# KiCad board nerdqaxe++.kicad_pcb (continued)
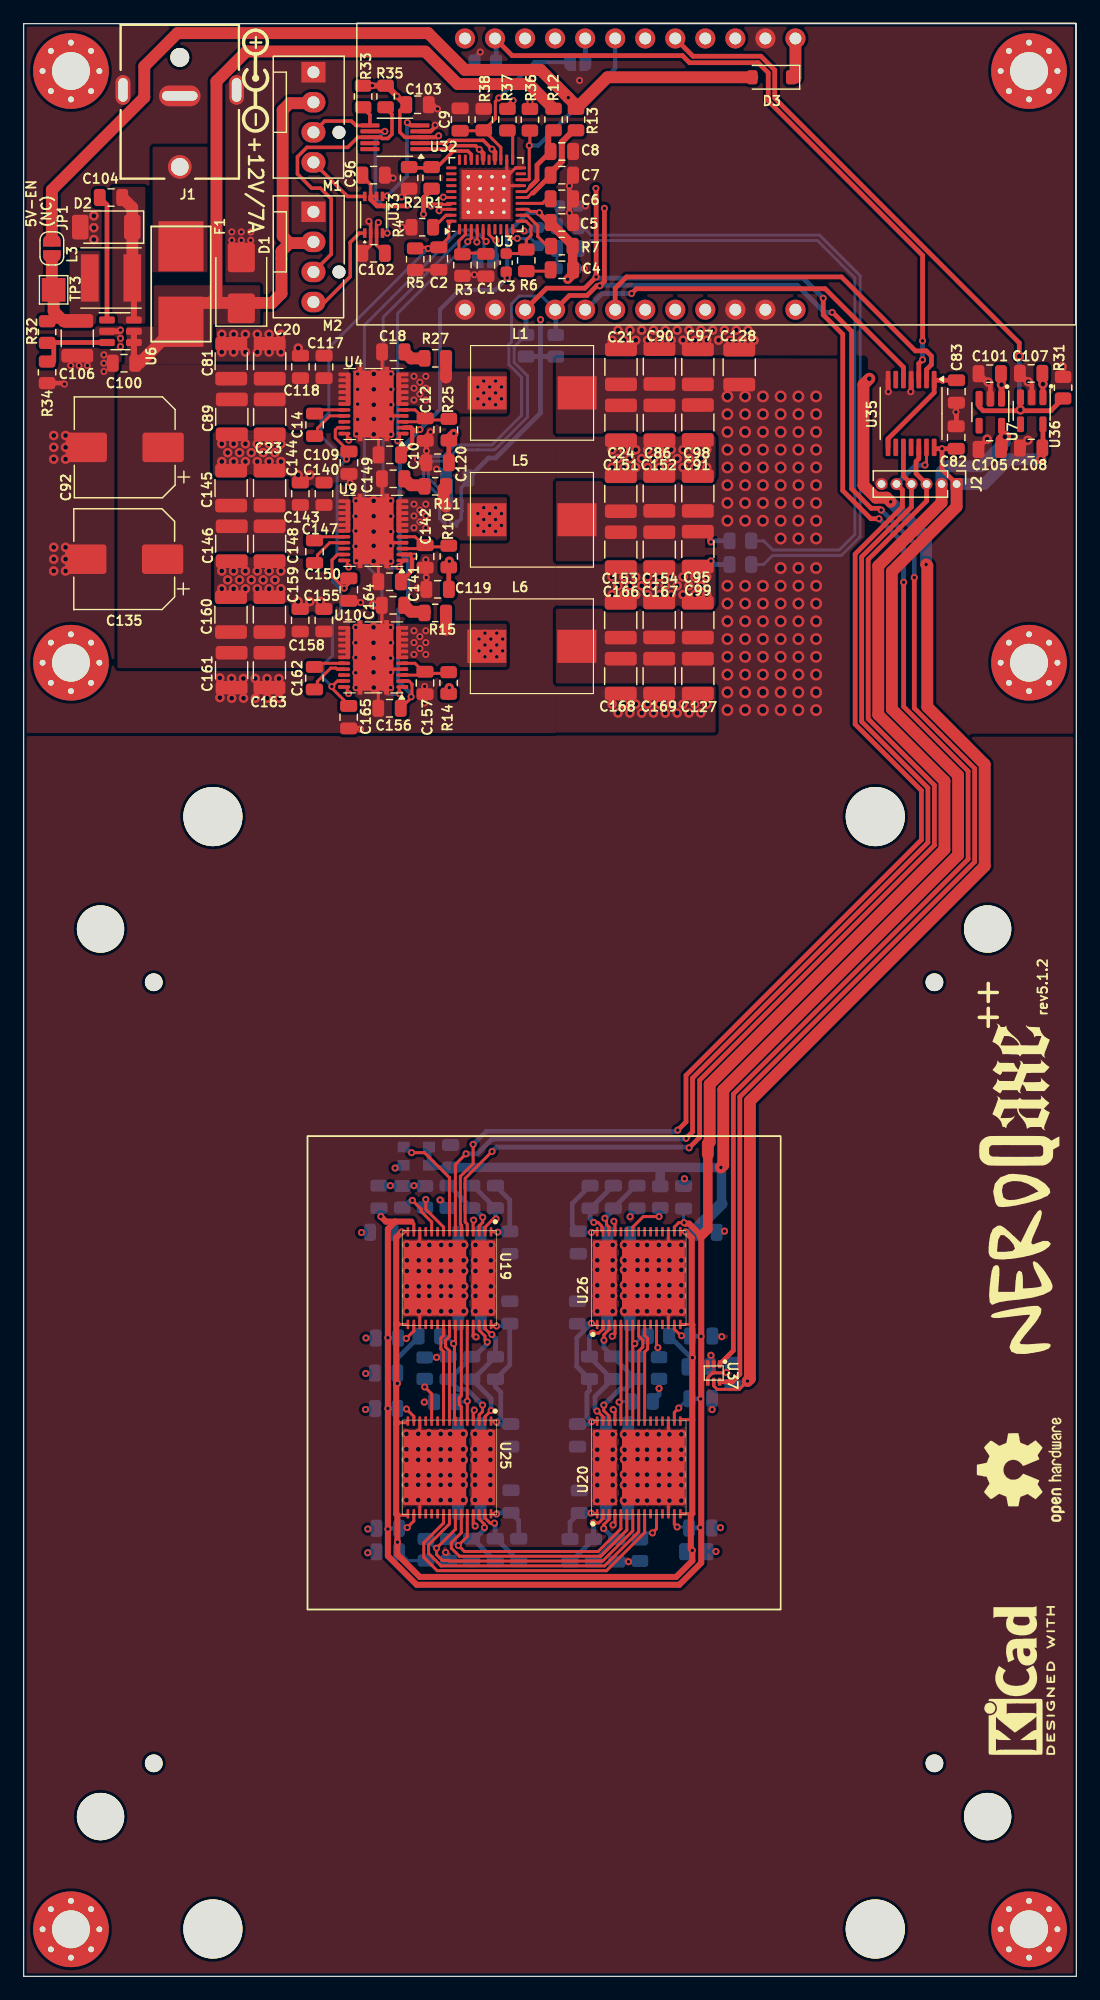
[diagram p0: board, top side]
## Footprints (pads in the part's own frame, mm; a bottom-side part is the same pattern mirrored in y, then rotated)
BM1370
  rrect 0.792x0.221 smd: 1(-3.916,3.514) 2(-3.916,3.012) 3(-3.916,2.51) 4(-3.916,2.008) 5(-3.916,1.506) 6(-3.916,1.004) 7(-3.916,0.502) 8(-3.916,0) 9(-3.916,-0.502) 10(-3.916,-1.004) 11(-3.916,-1.506) 12(-3.916,-2.008) 13(-3.916,-2.51) 14(-3.916,-3.012) 15(-3.916,-3.514) 16(3.916,-3.514) 17(3.916,-3.012) 18(3.916,-2.51) 19(3.916,-2.008) 20(3.916,-1.506) 21(3.916,-1.004) 22(3.916,-0.502) 23(3.916,0) 24(3.916,0.502) 25(3.916,1.004) 26(3.916,1.506) 27(3.916,2.008) 28(3.916,2.51) 29(3.916,3.012) 30(3.916,3.514)
  rect 6.33x2 smd: 31(0,2.87)
  rect 6.33x5.3 smd: 32(0,-1.24)
C_0603_1608Metric
  rrect 0.9x0.95 smd: 1(-0.775,0) 2(0.775,0)
C_0805_2012Metric
  rrect 1x1.45 smd: 1(-0.95,0) 2(0.95,0)
C_1210_3225Metric
  rrect 1.15x2.7 smd: 1(-1.475,0) 2(1.475,0)
CP_Elec_8x10
  rrect 3.5x2.5 smd: 1(-3.25,0) 2(3.25,0)
CSD95472-SON-5x6
  rrect 1x0.3 smd: 1(2.45,-2.5) 2(2.45,-2) 3(2.45,-1.5) 4(2.45,-1) 5(2.45,-0.5) 6(2.45,2.5) 6(2.45,2) 6(2.45,1.5) 6(2.45,1) 6(2.45,0.5) 6(2.45,0) 7(-2.45,2.5) 7(-2.45,2) 7(-2.45,1.5) 7(-2.45,1) 7(-2.45,0.5) 7(-2.45,0) 8(-2.45,-0.5) 9(-2.45,-1) 10(-2.45,-1.5) 11(-2.45,-2) 12(-2.45,-2.5)
  rect 0.5x0.3 smd: 1(2.7,-2.5) 2(2.7,-2) 3(2.7,-1.5) 4(2.7,-1) 5(2.7,-0.5) 6(2.7,2.5) 6(2.7,2) 6(2.7,1.5) 6(2.7,1) 6(2.7,0.5) 6(2.7,0) 7(-2.7,2.5) 7(-2.7,2) 7(-2.7,1.5) 7(-2.7,1) 7(-2.7,0.5) 7(-2.7,0) 8(-2.7,-0.5) 9(-2.7,-1) 10(-2.7,-1.5) 11(-2.7,-2) 12(-2.7,-2.5)
  rrect 0.41x2.8 smd: 6(2.15,1.25) 7(-2.15,1.25)
  rect 0.41x6.3 smd: 13(-1.125,0) 13(1.125,0)
  rect 3.4x5.639 smd: 13(0,0)
D_SMB
  rrect 2.5x2.3 smd: 1(-2.15,0) 2(2.15,0)
D_SOD-123
  rrect 0.9x1.2 smd: 1(-1.65,0) 2(1.65,0)
D_SOD-128
  rrect 1.4x2.1 smd: 1(-2.2,0) 2(2.2,0)
FanPinHeader_1x04_P2.54mm_Vertical
  round 1.1 hole 1.1 unplated: (5.08,2.16)
  rect 1.73x2.03 hole 1.02: 1(0,0)
  oval 1.73x2.03 hole 1.02: 2(2.54,0) 3(5.08,0) 4(7.62,0)
fuseholder_littlefuse_blok
  rect 4.245x3.81 smd: 1(-3.188,0) 2(3.188,0)
GCT_DCJ250-20-B-XX-X_REVA1
  round 1.6 hole 1.6 unplated: (0,-3.75)
  round 2 hole 1.5: 1(0,5.5)
  oval 3.5x1.75 hole 3x0.8: 2(0,-0.5)
  oval 1.25x2.5 hole 0.8x2: 3_1(-4.8,-1) 3_2(4.8,-1)
IFLR-4031GC-01-8x10
  rect 3.3x2.8 smd: 1(-3.805,0) 2(3.805,0)
L_Taiyo-Yuden_NR-50xx
  rect 1.5x4 smd: 1(-1.8,0) 2(1.8,0)
MountingHole_3.2mm_M3
  round 5 hole 5 unplated: (0,-9.5)
MountingHole_3.2mm_M3#2
  round 5 hole 5 unplated: (0,0)
MountingHole_3.2mm_M3#4
  round 4 hole 4 unplated: (0,0)
MountingHole_3.2mm_M3#3
  round 5 hole 5 unplated: (0,9.5)
MountingHole_3.2mm_M3_Pad_Via
  round 0.8 hole 0.5: 1(-2.4,0) 1(-1.697,1.697) 1(-1.697,-1.697) 1(0,2.4) 1(0,-2.4) 1(1.697,1.697) 1(1.697,-1.697) 1(2.4,0)
  round 6.4 hole 3.2: 1(0,0)
MSOP-10_3x3mm_P0.5mm
  rrect 1.625x0.35 smd: 1(-2.112,1) 2(-2.112,0.5) 3(-2.112,0) 4(-2.112,-0.5) 5(-2.112,-1) 6(2.112,-1) 7(2.112,-0.5) 8(2.112,0) 9(2.112,0.5) 10(2.112,1)
Oscillator_SMD_EuroQuartz_XO32-4Pin_3.2x2.5mm
  rect 0.9x1 smd: 1(-0.775,1.075) 2(-0.775,-1.075) 3(0.775,-1.075) 4(0.775,1.075)
PinHeader_1x06_P1.27mm_Vertical
  rect 1x1 hole 0.65: 1(0,0)
  oval 1x1 hole 0.65: 2(0,-1.27) 3(0,-2.54) 4(0,-3.81) 5(0,-5.08) 6(0,-6.35)
R_0805_2012Metric
  rrect 1.025x1.4 smd: 1(-0.912,0) 2(0.912,0)
SolderJumper-2_P1.3mm_Open_RoundedPad1.0x1.5mm
  custom 1x1.5 smd: 1(-0.65,0) 2(0.65,0)
SOT-23-5
  rrect 1.325x0.6 smd: 1(-1.137,0.95) 2(-1.137,0) 3(-1.137,-0.95) 4(1.137,-0.95) 5(1.137,0.95)
SOT-23-6
  rrect 1.325x0.6 smd: 1(-1.137,0.95) 2(-1.137,0) 3(-1.137,-0.95) 4(1.137,-0.95) 5(1.137,0) 6(1.137,0.95)
stencil-registration
  round 1.5 hole 1.5 unplated: (0,0)
T-Display-S3
  round 1.7 hole 1: 1(11.46,21.25) 2(11.46,18.71) 3(11.46,16.17) 4(11.46,13.63) 5(11.46,11.09) 6(11.46,8.55) 7(11.46,6.01) 8(11.46,3.47) 9(11.46,0.93) 10(11.46,-1.61) 11(11.46,-4.15) 12(11.46,-6.69) 13(-11.46,-6.69) 14(-11.46,-4.15) 15(-11.46,-1.61) 16(-11.46,0.93) 17(-11.46,3.47) 18(-11.46,6.01) 19(-11.46,8.55) 20(-11.46,11.09) 21(-11.46,13.63) 22(-11.46,16.17) 23(-11.46,18.71) 24(-11.46,21.25)
TestPoint_Pad_2.0x2.0mm
  rect 2x2 smd: 1(0,0)
Texas_RHA0040B_VQFN-40-1EP_6x6mm_P0.5mm_EP4.15x4.15mm_ThermalVias
  custom 0.464x0.464 smd: (-1.788,1.788) (-1.788,-1.788) (1.788,1.788) (1.788,-1.788)
  custom 0.464x0.806 smd: (-1.788,1) (-1.788,0) (-1.788,-1) (1.788,1) (1.788,0) (1.788,-1)
  custom 0.806x0.464 smd: (-1,1.788) (-1,-1.788) (0,1.788) (0,-1.788) (1,1.788) (1,-1.788)
  rrect 0.806x0.806 smd: (-1,1) (-1,0) (-1,-1) (0,1) (0,0) (0,-1) (1,1) (1,0) (1,-1)
  rrect 0.875x0.25 smd: 1(-2.938,2.25) 2(-2.938,1.75) 3(-2.938,1.25) 4(-2.938,0.75) 5(-2.938,0.25) 6(-2.938,-0.25) 7(-2.938,-0.75) 8(-2.938,-1.25) 9(-2.938,-1.75) 10(-2.938,-2.25) 21(2.938,-2.25) 22(2.938,-1.75) 23(2.938,-1.25) 24(2.938,-0.75) 25(2.938,-0.25) 26(2.938,0.25) 27(2.938,0.75) 28(2.938,1.25) 29(2.938,1.75) 30(2.938,2.25)
  rrect 0.25x0.875 smd: 11(-2.25,-2.938) 12(-1.75,-2.938) 13(-1.25,-2.938) 14(-0.75,-2.938) 15(-0.25,-2.938) 16(0.25,-2.938) 17(0.75,-2.938) 18(1.25,-2.938) 19(1.75,-2.938) 20(2.25,-2.938) 31(2.25,2.938) 32(1.75,2.938) 33(1.25,2.938) 34(0.75,2.938) 35(0.25,2.938) 36(-0.25,2.938) 37(-0.75,2.938) 38(-1.25,2.938) 39(-1.75,2.938) 40(-2.25,2.938)
  round 0.6 hole 0.3: 41(-1.5,1.5) 41(-1.5,0.5) 41(-1.5,-0.5) 41(-1.5,-1.5) 41(-0.5,1.5) 41(-0.5,0.5) 41(-0.5,-0.5) 41(-0.5,-1.5) 41(0.5,1.5) 41(0.5,0.5) 41(0.5,-0.5) 41(0.5,-1.5) 41(1.5,1.5) 41(1.5,0.5) 41(1.5,-0.5) 41(1.5,-1.5)
  rect 3.5x3.5 smd far side: 41(0,0)
  rect 4.15x4.15 smd: 41(0,0)
TMP1075-DRL
  rrect 0.67x0.3 smd: 1(-0.74,0.5) 2(-0.74,0) 3(-0.74,-0.5) 4(0.74,-0.5) 5(0.74,0) 6(0.74,0.5)
TSSOP-14_4.4x5mm_P0.65mm
  rrect 1.475x0.4 smd: 1(-2.862,1.95) 2(-2.862,1.3) 3(-2.862,0.65) 4(-2.862,0) 5(-2.862,-0.65) 6(-2.862,-1.3) 7(-2.862,-1.95) 8(2.862,-1.95) 9(2.862,-1.3) 10(2.862,-0.65) 11(2.862,0) 12(2.862,0.65) 13(2.862,1.3) 14(2.862,1.95)
VSSOP-8_2.3x2mm_P0.5mm
  rect 0.8x0.3 smd: 1(-1.55,0.75) 2(-1.55,0.25) 3(-1.55,-0.25) 4(-1.55,-0.75) 5(1.55,-0.75) 6(1.55,-0.25) 7(1.55,0.25) 8(1.55,0.75)

## Nets
+0V8: C28.2 C30.2 C32.2 C34.2 C37.2 C40.2 C44.2 C47.2 C105.1 J2.2 U7.5 U19.14 U19.17 U20.14 U20.17 U25.14 U25.17 U26.14 U26.17
+1V2: C25.1 C52.1 C54.1 C58.1 C60.1 C64.1 C68.1 C82.1 C108.1 J2.1 R20.2 R21.2 R22.2 R23.2 U8.1 U8.4 U19.15 U19.16 U20.15 U20.16 U25.15 U25.16 U26.15 U26.16 U35.14 U36.5
+3V3: C83.1 C87.1 C88.1 C101.1 C102.1 C103.1 C107.1 JP3.2 R8.1 R9.1 R33.1 R35.1 R36.1 R37.1 U3.6 U7.1 U30.1 U30.13 U32.3 U33.3 U35.1 U35.8 U36.1 U37.5 U38.4 U38.5
+5V: C96.1 C119.1 C120.1 D3.2 JP1.2 R10.1 R13.1 R14.1 R25.1 U33.6 U33.7
+12V: C20.1 C23.1 C81.1 C89.1 C92.1 C100.1 C117.1 C118.1 C135.1 C140.1 C143.1 C144.1 C145.1 C146.1 C148.1 C155.1 C158.1 C159.1 C160.1 C161.1 C163.1 D1.1 F1.1 M1.2 M2.2 R12.1 U4.7 U6.4 U6.5 U9.7 U10.7
GND: C1.2 C2.2 C5.2 C6.2 C7.1 C8.1 C9.2 C10.2 C11.2 C12.2 C13.2 C15.2 C17.2 C18.2 C20.2 C21.2 C23.2 C24.2 C25.2 C26.2 C27.2 C28.1 C29.2 C30.1 C31.2 C32.1 C33.2 C34.1 C35.1 C36.1 C37.1 C38.2 C40.1 C41.2 C44.1 C46.2 C47.1 C49.2 C52.2 C53.2 C54.2 C55.2 C58.2 C59.2 C60.2 C64.2 C68.2 C71.2 C72.2 C79.2 C80.2 C81.2 C82.2 C83.2 C86.2 C87.2 C88.2 C89.2 C90.2 C91.2 C92.2 C95.2 C96.2 C97.2 C98.2 C99.2 C100.2 C101.2 C102.2 C103.2 C105.2 C106.2 C107.2 C108.2 C109.2 C115.1 C116.2 C117.2 C118.2 C119.2 C120.2 C127.2 C128.2 C135.2 C140.2 C141.2 C142.2 C143.2 C144.2 C145.2 C146.2 C148.2 C149.2 C150.2 C151.2 C152.2 C153.2 C154.2 C155.2 C156.2 C157.2 C158.2 C159.2 C160.2 C161.2 C163.2 C164.2 C165.2 C166.2 C167.2 C168.2 C169.2 D1.2 D2.2 J1.2 J1.3_1 J1.3_2 J2.6 M1.1 M2.1 R2.1 R3.1 R4.1 R5.1 R16.2 R19.1 R30.2 R31.2 R34.2 R38.2 R44.2 R45.2 R46.2 R47.2 R49.1 R50.1 R51.1 U3.17 U3.20 U3.22 U3.41 U4.4 U4.13 U6.2 U7.2 U8.2 U9.4 U9.13 U10.4 U10.13 U19.4 U19.13 U19.18 U19.27 U19.32 U20.4 U20.13 U20.18 U20.27 U20.32 U25.4 U25.13 U25.18 U25.27 U25.32 U26.4 U26.13 U26.18 U26.27 U26.32 U30.11 U30.14 U30.15 U30.23 U30.24 U32.4 U33.2 U35.4 U35.7 U36.2 U37.2 U37.4 U38.2
VDD: C11.1 C13.1 C15.1 C17.1 C21.1 C24.1 C26.1 C27.1 C29.1 C31.1 C33.1 C38.1 C41.1 C46.1 C49.1 C53.1 C55.1 C56.2 C57.2 C59.1 C62.1 C63.1 C73.1 C74.1 C86.1 C90.1 C91.1 C93.2 C94.2 C95.1 C97.1 C98.1 C99.1 C127.1 C128.1 C151.1 C152.1 C153.1 C154.1 C166.1 C167.1 C168.1 C169.1 L1.2 L5.2 L6.2 R29.2 U19.31 U20.31 U25.31 U26.31
+VRef: C3.2 C4.2 C5.1 C10.1 C141.1 C156.1 R1.2 R7.1 U3.13 U4.2 U9.2 U10.2
/BM1366/BI: R19.2 U19.9
/BM1366/CI: J2.5 U19.6 U35.13
/BM1366/CLKI: U8.3 U19.8
/BM1366/RESET: R16.1 U30.2 U35.3
/BM1366/RO: J2.4 U19.7 U35.10
/BM1366/RST_N: J2.3 U19.5 U35.12
/BM1366/RXD: U30.20 U35.5
/BM1366/TXD: U30.19 U35.2
/Power//RESET: R37.2 U3.21
/Power/LDO_EN: R31.1 U7.3 U30.8 U36.3
/Power/PWR_EN: JP2.2 U30.5
/Power/TPS_CSP1: U3.3 U4.1
/Power/TPS_CSP2: U3.4 U9.1
/Power/TPS_CSP3: JP3.1 U3.5 U10.1
/Power/TPS_PWM1: U3.38 U4.12
/Power/TPS_PWM2: U3.37 U9.12
/Power/TPS_PWM3: U3.36 U10.12
/Power/TPS_TSEN: C2.1 C109.1 C150.1 C165.1 R5.2 U3.40 U4.11 U9.11 U10.11
/Power/VR_RDY: R36.2 U3.18 U30.6
/Power/VSENSE+: R29.1 R39.1
/Power/VSENSE-: R30.1 R40.1
/T-Display-S3/SCL: R8.2 U3.24 U30.22 U32.2 U37.1 U38.1
/T-Display-S3/SDA: R9.2 U3.26 U30.21 U32.1 U37.6 U38.6
/T-Display-S3/TACHO1: M1.3 R33.2 U32.6
/T-Display-S3/TACHO2: M2.3 R35.2 U32.8
Net-(C4-Pad1): C4.1 R6.1
Net-(C18-Pad1): C18.1 R27.1
Net-(C149-Pad1): C149.1 R11.1
Net-(C164-Pad1): C164.1 R15.1
Net-(D2-K): C104.2 D2.1 L3.1 U6.6
Net-(D3-K): D3.1 U30.12
Net-(F1-Pad2): F1.2 J1.1
Net-(JP1-A): C106.1 JP1.1 L3.2 R32.1 TP3.1
Net-(JP2-A): C9.1 JP2.1 R38.1 U3.23
Net-(M1-PWM): M1.4 U33.8
Net-(M2-PWM): M2.4 U33.1
Net-(R44-Pad1): R44.1 U20.11
Net-(R45-Pad1): R45.1 U26.11
Net-(R46-Pad1): R46.1 U19.11
Net-(R47-Pad1): R47.1 U25.11
Net-(U3-/SKIP-NVM): R4.2 U3.39
Net-(U3-ADDR_TRISE): R1.1 R2.2 U3.28
Net-(U3-COMP): C3.1 R6.2 U3.11
Net-(U3-IMON): C1.1 R3.2 U3.2
Net-(U3-ISUM): R7.2 U3.12
Net-(U3-V3R3): C6.1 U3.14
Net-(U3-V5): C7.2 R13.2 U3.15
Net-(U3-VIN): C8.2 R12.2 U3.16
Net-(U3-VSN): C114.2 C116.1 R40.2 U3.10
Net-(U3-VSP): C114.1 C115.2 R39.2 U3.9
Net-(U4-BOOT): C14.1 U4.9
Net-(U4-BOOT_R): C14.2 U4.8
Net-(U4-ENABLE): C12.1 R25.2 U4.3 U4.5
Net-(U4-VSW): L1.1 R27.2 U4.6
Net-(U6-BS): C104.1 U6.1
Net-(U6-FB): R32.2 R34.1 U6.3
Net-(U9-BOOT): C147.1 U9.9
Net-(U9-BOOT_R): C147.2 U9.8
Net-(U9-ENABLE): C142.1 R10.2 U9.3 U9.5
Net-(U9-VSW): L5.1 R11.2 U9.6
Net-(U10-BOOT): C162.1 U10.9
Net-(U10-BOOT_R): C162.2 U10.8
Net-(U10-ENABLE): C157.1 R14.2 U10.3 U10.5
Net-(U10-VSW): L6.1 R15.2 U10.6
Net-(U19-BO): U19.22 U25.9
Net-(U19-CLKO): U19.23 U25.8
Net-(U19-CO): U19.25 U25.6
Net-(U19-NRSTO): R49.2 U19.26 U25.5
Net-(U19-RI): R20.1 U19.24 U25.7
Net-(U19-VDD1_0): C35.2 C42.1 U19.3
Net-(U19-VDD1_1): C69.2 C71.1 U19.28 U25.3
Net-(U19-VDD2_0): C42.2 C50.1 U19.2
Net-(U19-VDD2_1): C66.2 C69.1 U19.29 U25.2
Net-(U19-VDD3_0): C50.2 C56.1 U19.1
Net-(U19-VDD3_1): C62.2 C66.1 C93.1 U19.30 U25.1
Net-(U20-BI): U20.9 U25.22
Net-(U20-BO): U20.22 U26.9
Net-(U20-CI): U20.6 U25.25
Net-(U20-CLKI): U20.8 U25.23
Net-(U20-CLKO): U20.23 U26.8
Net-(U20-CO): U20.25 U26.6
Net-(U20-NRSTI): R50.2 U20.5 U25.26
Net-(U20-NRSTO): R51.2 U20.26 U26.5
Net-(U20-RI): R21.1 U20.24 U26.7
Net-(U20-RO): R23.1 U20.7 U25.24
Net-(U20-VDD1_0): C36.2 C43.1 U20.3
Net-(U20-VDD1_1): C70.2 C72.1 U20.28 U26.3
Net-(U20-VDD2_0): C43.2 C51.1 U20.2
Net-(U20-VDD2_1): C67.2 C70.1 U20.29 U26.2
Net-(U20-VDD3_0): C51.2 C57.1 U20.1
Net-(U20-VDD3_1): C63.2 C67.1 C94.1 U20.30 U26.1
Net-(U25-VDD1_1): C77.2 C79.1 U25.28
Net-(U25-VDD2_1): C75.2 C77.1 U25.29
Net-(U25-VDD3_1): C73.2 C75.1 U25.30
Net-(U26-RI): R22.1 U26.24
Net-(U26-VDD1_1): C78.2 C80.1 U26.28
Net-(U26-VDD2_1): C76.2 C78.1 U26.29
Net-(U26-VDD3_1): C74.2 C76.1 U26.30
Net-(U32-PWM1): U32.5 U33.5
Net-(U32-PWM2): U32.7 U33.4

Pads without a net: REF**#3 1; REF**#11 1; REF**#15 1; REF**#16 1; REF**#17 1; REF**#20 1; U3 1 7 8 19 25 27 29 30 31 32 33 34 35; U4 10; U7 4; U9 10; U10 10; U19 10 12 19 20 21; U20 10 12 19 20 21; U25 10 12 19 20 21; U26 10 12 19 20 21 22 23 25 26; U30 3 4 7 9 10 16 17 18; U32 9 10; U35 6 9 11; U36 4; U37 3; U38 3

## Via types
v1: diameter 0.6, hole 0.3, Top to Bottom, 297 vias
v2: diameter 0.8, hole 0.4, Top to Bottom, 393 vias
v3: diameter 1, hole 0.6, Top to Bottom, 102 vias

## Routing (per net, layer and track width the routed paths; a pad name or vN(x,y) marks a point on that pad's centre or on a via; arc(x,y) is an arc through that point)
+0V8: length 199.6
  Top w0.254: U25.17 32.99,38.48 v1(32.43,37.92) ; 32.79,63.78 32.99,63.58 U19.14 ; U26.17 55.01,63.31 55.39,63.69 v1(55.84,63.69) ; v1(55.25,37.97) 55.01,38.21 U20.14 ; U19.17 32.99,54.54 v1(32.35,53.9) ; v1(55.38,48.02) 55.01,47.65 U20.17 ; v1(55.62,54.13) 55.57,54.13 55.01,54.69 U26.14 ; v1(32.36,47.94) 32.99,47.31 U25.14
  Top w0.4: U7.5 82.68,129.07
  Top w0.508: 31.43,63.78 32.79,63.78 ; 31.43,63.78 30.62,63.78 v1(30.2,64.2) ; 31.43,63.78 30.79,63.14 v1(30.79,53.96) v1(30.79,47.99) v1(30.79,37.8) 30.79,35.52 33.22,33.09 55.44,33.09 57.29,34.94 57.29,62.58 56.26,63.6 55.92,63.6 v1(55.84,63.69)
  Top w0.8: 57.84,69.45 57.84,63.14 57.29,62.58
  Top w1: 57.84,69.45 57.84,70.35 58,70.51 58,75.38 77.85,95.23 77.85,101.01 72.25,106.61 72.25,119.18 77.6,124.53 J2.2 ; C105.1 82.68,129.07 82.68,129.82 v2(82.96,130.1)
  Bottom w0.254: v1(55.84,63.69) 55.79,63.73 C34.2 ; v1(32.36,47.94) 31.64,47.94 C47.2 ; v1(32.43,37.92) 31.79,37.92 C32.2 ; v1(55.38,48.02) 56.17,48.81 C44.2 ; v1(55.62,54.13) 55.65,54.1 C37.2 ; v1(55.25,37.97) 56.18,37.97 C40.2 ; C30.2 31.69,53.9 v1(32.35,53.9)
  Bottom w0.4: v1(57.27,54.08) 57.25,54.1 C37.2 ; C40.2 57.18,37.89 v1(57.21,37.92) ; C44.2 57.22,48.81 v1(57.24,48.79) ; v1(30.79,47.99) 30.8,47.98 C47.2 ; C30.2 30.82,53.93 v1(30.79,53.96) ; C32.2 30.85,37.86 v1(30.79,37.8)
  Bottom w0.508: C28.2 30.2,64.74 v1(30.2,64.2)
  Bottom w1: v2(82.96,130.1) 82.96,129.66 80.9,127.6 78.07,127.6 77.6,127.13 J2.2
+1V2: length 225.4
  Top w0.254: v1(55.97,62.9) 55.95,62.92 U26.16 ; 31.6,55.11 31.62,55.08 U19.16 ; U20.16 55.64,47.04 56.53,47.04 ; U20.15 56.52,39.08 56.53,39.1 ; U25.15 32.35,46.78 31.6,46.78 ; U25.16 32.37,38.97 31.6,38.97 ; v1(31.97,62.9) 31.99,62.92 U19.15 ; U26.15 56.52,55.08 56.53,55.07
  Top w0.4: v1(77.64,129.08) 77.1,129.08 U35.14 ; v1(77.64,129.08) C82.1 ; v1(77.64,129.08) 77.64,127.34 J2.1 ; v2(85.99,128.18) 86.13,128.32 C108.1 86.18,129.19 U36.5
  Top w0.508: v1(31.97,62.9) 31.5,62.43 31.5,55.21 31.6,55.11 31.5,55.01 31.5,50.2 v1(31.6,50.1) 31.5,50 31.5,46.88 31.6,46.78 31.5,46.68 31.5,39.07 31.6,38.97 31.6,35.64 33.49,33.75 55.17,33.75 56.53,35.11 v1(56.53,35.99) 56.41,36.12 56.41,38.97 56.53,39.1 v1(56.53,52.28) 56.53,55.07 56.48,55.12 56.48,62.39 v1(55.97,62.9)
  Top w1: J2.1 78.88,124.17 73.4,118.7 73.4,107.08 79,101.48 79,94.75 59.15,74.9 59.15,68.55 v1(58.95,68.35)
  Bottom w0.254: C64.1 56.53,51.9 v1(56.53,52.28) ; v1(31.6,50.1) 31.59,50.11 C68.1 ; v1(56.53,35.99) 56.42,35.88 C54.1 ; C60.1 31.21,62.9 v1(31.97,62.9) ; v1(31.6,36.69) 31.73,36.55 C52.1 32.47,35.13 R23.2
  Bottom w0.4: R21.2 56.41,52.28 v1(56.53,52.28) ; U8.4 U8.1 34.45,68.35 C25.1 ; 77.64,129.1 v1(77.64,129.08) ; 33.47,54.09 31.59,52.21 C68.1 ; C52.1 31.73,35.41
  Bottom w0.508: v1(55.97,62.9) 56,62.87 C58.1 56.94,63.11
  Bottom w0.8: 54,68.35 v1(58.95,68.35) 59,68.3 59,65.27 ; 54,68.35 C25.1 ; 54,68.35 53.82,68.17 R22.2
  Bottom w1: C58.1 56.7,62.97 59,65.27 ; J2.1 81.19,126.1 83.27,128.18 v2(85.99,128.18)
+3V3: length 157.7
  Top w0.254: U37.5 58.34,49.89 58.63,49.6 60.5,49.6 v1(61.2,50.3) ; v1(42.81,158.41) 42.8,158.4 R36.1 ; v1(39.93,146.69) 39.84,146.69 39.34,147.19 U3.6
  Top w0.3: 32.29,158.15 31.81,157.67 31.81,155.83 32.24,155.4 U32.3 ; C102.1 29.84,146.3 U33.3 29.84,148.05 v1(29.99,148.2)
  Top w0.35: v1(35.09,155.53) 34.96,155.4 U32.3
  Top w0.4: R37.1 40.9,158.02 v1(41.38,158.5) ; C107.1 86.18,135.39 U36.1 ; U35.8 73.08,129.93 76.98,133.83 U35.1 77.03,134.87 C83.1
  Top w0.508: U7.1 82.68,135.37 C101.1 ; 28.64,159.76 30.67,159.76 32.29,158.15
  Top w1: v1(61.2,50.3) 61.4,50.5 61.4,73.97 81.25,93.82 81.25,102.42 76.4,107.27 76.4,119.2 v1(76.3,119.3) ; v2(71.5,135) 71,134.5 71,126 72.05,124.95 72.95,124.95 v1(73.3,124.6)
  Bottom w0.254: JP3.2 39.93,145.35 v1(39.93,146.69) ; v1(61.2,50.3) 60.85,49.95 C88.1
  Bottom w0.3: U38.5 U38.4 37,123.16 37,123.76 37.05,123.81 37.05,124.67 37,124.72 37,125.8 37.6,126.4 C87.1
  Bottom w0.4: v1(43.7,139.99) 43.69,139.98 43.69,136.87 ; R9.1 43.69,136.87 ; 43.69,136.87 43.69,132.09 39.9,128.3 39.3,128.3 C87.1 37.59,126.61 ; 43.69,136.87 42.48,136.87 R8.1
  Bottom w1: v1(76.3,119.3) 76.3,121.6 v1(73.3,124.6)
  vias: v1(29.49,159.76) v1(31.56,158.88) v1(77.69,134.87) v2(82.68,134.5) v2(86.18,134.54)
+5V: length 151.7
  Top w0.254: C119.1 35.95,119.06 R10.1
  Top w0.3: 28.64,152.1 29.34,151.4 U33.7 U33.6
  Top w0.4: C120.1 R25.1 ; U33.7 29.34,150.15 29.89,149.6 32.38,149.6 v1(32.44,149.66) ; 35.94,117.18 R10.1
  Top w0.8: 35.95,129.65 35.95,129.96 v1(36.37,130.37) ; v1(35.99,119.58) 35.99,118.98 35.94,118.93 ; 35.93,108.24 35.98,108.29 v1(35.98,108.89)
  Top w1: JP1.2 2.38,150.96 10.2,158.77 10.2,161.4 13,164.2 34.2,164.2 37.3,161.1 43.7,161.1 v1(46.05,158.75) 46.7,158.1 R13.1 49.36,160.47 D3.2
  In1.Cu w0.4: 36.39,151.2 34.08,151.2 32.65,149.77 32.55,149.77 v1(32.44,149.66)
  In1.Cu w1: 36,108.6 36.3,108.9 36.3,130.31 v1(36.37,130.37) 36.3,130.44 36.3,138.4 35.4,139.3 35.4,141.9 36.53,143.03 36.53,151.07 36.39,151.2 36.39,154.79 38.3,156.7 42.6,156.7 42.7,156.6 43.9,156.6 v1(46.05,158.75)
+12V: length 90.7
  Top w0.508: U6.4 U6.5 9.32,136.45 9.66,136.11
  Top w1: 22.48,146.46 21.9,147.05 21.9,157.69 22.48,158.28 24.5,158.28 ; 22.48,146.46 21.8,145.78 21.8,142.2 21,141.4 18.3,141.4 ; 22.48,146.46 24.5,146.46 ; R12.1 42.71,159.9 36.7,159.9 34,162.6 ; 9.79,136.3 F1.1 14.89,141.4 18.3,141.4 ; 18.3,141.4 18.4,141.5 ; 14.51,139.2 13.9,139.81 ; 15.86,141.46 16.3,141.9 16.3,160.13 18.82,162.65 33.95,162.65
GND: length 184.4
  Top w0.254: v1(34.05,128.9) 34.05,129.51 33.95,129.61 ; C156.2 29.98,108.49 29.58,108.89 29.98,109.29 29.98,109.79 v2(29.58,110.19) 29.98,110.59 29.98,111.03 U10.13 ; U10.13 29.58,111.43 v2(29.58,111.39) 29.62,111.39 30.56,110.45 30.62,110.45 30.88,110.19 v1(31.03,110.19) 31.03,110.34 31.14,110.45 31.75,110.45 ; U10.13 30.28,112.18 C164.2 ; U20.4 49.99,38.3 v1(49.83,38.14) ; C18.2 30.3,133.59 U4.13 ; v1(49.85,47.88) 49.99,47.74 U20.27 ; U26.13 54.51,57.73 U26.32 54.51,60.27 U26.18 ; C149.2 30.29,122.87 U9.13 ; C141.2 29.99,119.18 v2(29.59,119.58) 29.99,119.98 29.99,120.48 v2(29.59,120.88) 29.99,121.28 29.99,121.72 U9.13 ; v1(38.25,54.03) 38.06,54.03 38,54.09 ; 27.48,105.54 28.33,105.54 v1(28.48,105.39) ; 38,63.91 38.05,63.86 38.05,63.76 ; 38.01,63.75 38,63.74 38,62.92 U19.4 ; C150.2 28.34,116.23 v1(28.49,116.08) ; U3.41 39.34,150.56 41.59,152.81 U3.20 ; U3.41 39.84,151.31 U3.17 ; U3.41 40.84,152.31 U3.22 ; v1(38.1,47.84) 38.01,47.75 U25.4 ; U20.18 54.51,44.27 U20.32 54.51,41.73 U20.13 ; v1(34.04,118.2) 33.94,118.3 33.94,118.89 ; 34.24,60.77 34.3,60.71 v2(34.3,60.5) 34.51,60.5 35.3,59.71 v2(35.3,59.6) 35.41,59.6 35.51,59.5 34.31,58.3 v2(34.3,58.3) 34.3,58.29 34.24,58.23 ; 37.09,143.79 39.06,143.79 39.09,143.75 ; U4.13 30,132.44 30,132 v2(29.6,131.6) 30,131.2 30,130.7 v2(29.6,130.3) 30,129.9 C10.2 ; U4.13 29.6,132.84 v2(29.6,132.8) 29.64,132.8 30.58,131.86 30.64,131.86 30.9,131.6 v1(31.05,131.6) 31.05,131.75 31.16,131.86 31.78,131.86 ; U9.13 29.59,122.12 v2(29.59,122.08) 29.63,122.08 30.56,121.14 30.63,121.14 30.89,120.88 v1(31.04,120.88) 31.04,121.03 31.15,121.14 31.77,121.14 ; 38,54.09 38.01,54.1 U19.27 ; 38,54.09 38,54.19 ; v1(49.76,54.08) 49.99,54.32 U26.4 ; U19.18 33.49,56.11 v2(33.4,56.2) 33.49,56.29 33.49,57.41 v2(33.4,57.5) 33.49,57.59 33.49,57.73 U19.32 34.3,59.46 v2(34.3,59.6) 34.16,59.6 33.49,60.27 33.49,60.41 v2(33.4,60.5) 33.49,60.59 33.49,61.71 v2(33.4,61.8) 33.49,61.89 U19.13 ; U25.13 33.49,44.27 U25.32 33.49,41.73 U25.18 ; v1(49.9,63.8) 49.99,63.71 U26.27 ; 33.93,108.2 33.93,108.97 v1(33.9,109) ; v1(59.41,51.02) 59.39,51 58.25,51 57.84,50.59 U37.4 ; U25.27 38.01,38.22 v1(38.18,38.05) ; C2.2 35.09,144.19 R5.1 ; C109.2 27.5,126.3 v1(27.6,126.2)
  Top w0.3: 30.54,152.1 31.09,152.1 v1(31.24,151.95) ; C102.2 29.34,146.3 U33.2 29.34,148.15 v1(29.19,148.3) ; 32.3,150.99 32.6,150.99 ; C119.2 33.4,117.2 v1(33.3,117.3)
  Top w0.35: v1(34.99,157.8) 34.64,158.15 34.19,158.15 ; U32.4 34.4,155.9 34.79,156.29 v1(34.79,156.43)
  Top w0.4: v2(81.55,134.71) 81.73,134.53 U7.2 ; 46.14,152.2 46.14,148.2 46.14,150.2 ; 34.03,108.24 C157.2 33.93,107.63 v1(33.9,107.6) ; C83.2 78.86,131.96 ; 78.86,131.96 78.86,132.14 v1(78.82,132.18) ; 78.86,131.96 78.86,131 C82.2 ; 2.55,134.63 3.36,134.63 v1(3.45,134.54) ; U36.2 85.23,134.44 C107.2 ; R31.2 87.88,135.92 v2(87.8,136) ; 34.04,117.18 34.04,118.93 C142.2 33.94,119.64 v1(34,119.7) ; 80.78,135.37 C101.2 ; 58.01,118.92 58.01,119.5 v1(58.11,119.6) ; R4.1 v1(31.99,147.8) ; v2(81.46,129.89) 80.73,129.15 C105.2 ; 32.6,150.99 31.97,150.36 v1(31.96,150.36) ; v1(33.3,128.2) 33.6,127.9 C120.2 34.05,129.65 C12.2 33.95,130.05 v1(34.4,130.5) ; v1(75,133.9) 75.03,133.93 U35.4 ; v1(73.1,133.9) 73.08,133.92 U35.7
  Top w0.508: C108.2 84.88,129.8 v2(84.9,129.8) ; U6.2 8.08,139.01 v1(8.18,139.11) ; v2(81.55,134.71) 81.44,134.71 C101.2
  Top w1: C108.2 84.24,129.14
  Bottom w0.254: U8.2 31.62,68.53 v1(31.4,68.3) ; C80.2 51.86,64.78 v1(51.27,64.19) ; v1(59.41,51.02) 59.41,51.29 C88.2
  Bottom w0.4: C71.2 35.84,52.3 R47.2 ; C36.1 52.04,35.03 R44.2 ; v1(29.09,35.79) 29.17,35.87 C52.2 ; 36.1,126.2 U38.2 ; 36.1,126.2 36.1,126.4 35.14,127.36 v1(34.9,127.36) ; 36.1,126.2 C87.2 ; C79.2 35.96,35.08 R50.1 35.92,35.58 v1(35.68,35.82) ; C32.1 29.16,37.86 v1(29.1,37.8) ; v1(38.6,162.6) 38.12,162.12 R16.2 ; C115.1 v1(47.4,144.3) ; R51.1 53.72,49.12 R45.2 ; v1(28.56,62.85) 28.59,62.88 C60.2 ; v1(59.02,54.05) 58.97,54.1 C37.1 ; R30.2 58.41,119.3 v1(58.11,119.6) ; R46.2 31.98,66.81 C28.1 33.9,66.81 R19.1 ; v1(58.53,35.9) 58.51,35.88 C54.2 ; C40.1 58.89,37.89 v1(58.91,37.91) ; R49.1 33.89,48.54 v1(33.87,48.52) ; C30.1 28.95,53.93 v1(28.94,53.94) ; v1(58.11,52.48) 58.03,52.4 C64.2 ; C44.1 58.19,47.91 v1(58.21,47.89) ; C34.1 55.79,67.32 v1(55.87,67.4) ; v1(59.25,62.97) 59.15,62.87 C58.2 ; C68.2 28.95,50.97 v1(28.92,50.94) ; v1(28.9,47.9) 28.98,47.98 C47.1 ; C116.2 v1(47.5,149.6) ; C35.1 v1(35.2,65.6)
  vias: v1(3.98,136.11) v1(4.68,136.11) v1(5.38,136.11) v1(6.78,137.01) v1(6.78,136.31) v1(6.78,135.61) v1(8.18,138.41) v1(8.18,137.71) v1(17.6,147.4) v1(17.6,146.7) v1(18.4,147.4) v1(18.4,146.7) v1(19.2,147.4) v1(19.2,146.7) v1(28.15,130.34) v1(28.09,124.68) v1(28.09,123.38) v1(28.09,122.13) v1(28.09,120.84) v1(28.14,119.62) v1(28.08,113.99) v1(28.08,112.69) v1(28.08,111.44) v1(28.08,110.15) v1(28.1,108.9) v1(28.24,135.4) v1(28.24,134.1) v1(28.24,132.85) v1(28.24,131.56) v1(31.05,135.4) v1(31.05,134.1) v1(31.05,132.8) v1(31.05,130.3) v1(31.04,124.68) v1(31.04,123.38) v1(31.04,122.08) v1(31.04,119.58) v1(31.03,113.99) v1(31.03,112.69) v1(31.03,111.39) v1(31.03,108.89) v1(31,66.81) v1(33,66.81) v1(34.91,52.3) v1(38.05,63.9) v1(38.1,143.79) v1(46.14,151.3) v1(46.14,149) v1(47,160.2) v1(51.13,35.03) v1(53.72,49.68) v2(2.54,130.2) v2(2.54,129.2) v2(2.54,128.2) v2(2.54,120.75) v2(2.54,119.75) v2(2.54,118.75) v2(3.54,130.2) v2(3.54,129.2) v2(3.54,128.2) v2(3.54,120.75) v2(3.54,119.75) v2(3.54,118.75) v2(5.93,148.76) v2(5.93,147.76) v2(5.93,146.76) v2(16.58,109.72) v2(16.59,108.05) v2(16.75,138.75) v2(16.75,137.25) v2(16.75,129.5) v2(16.75,128) v2(16.75,118.75) v2(16.75,117.25) v2(17.25,128.75) v2(17.25,118) v2(17.58,109.67) v2(17.59,108) v2(17.75,138.75) v2(17.75,137.25) v2(17.75,129.5) v2(17.75,128) v2(17.75,118.75) v2(17.75,117.25) v2(18.25,128.75) v2(18.25,118) v2(18.58,109.67) v2(18.59,108) v2(18.75,138.75) v2(18.75,137.25) v2(18.75,129.5) v2(18.75,128) v2(18.75,118.75) v2(18.75,117.25) v2(19.25,128.75) v2(19.25,118) v2(19.58,109.67) v2(19.59,108) v2(19.75,138.75) v2(19.75,137.25) v2(19.75,129.5) v2(19.75,128) v2(19.75,118.75) v2(19.75,117.25) v2(20.25,128.75) v2(20.25,118) v2(20.58,109.67) v2(20.59,108) v2(20.75,138.75) v2(20.75,137.25) v2(20.75,129.5) v2(20.75,128) v2(20.75,118.75) v2(20.75,117.25) v2(21.25,128.75) v2(21.25,118) v2(21.58,109.67) v2(21.59,108) v2(21.75,138.75) v2(21.75,137.25) v2(21.75,129.5) v2(21.75,128) v2(21.75,118.75) v2(21.75,117.25) v2(23.22,137.58) v2(23.21,126.86) v2(23.2,116.17) v2(24.21,126.86) v2(24.2,116.17) v2(25.08,116.19) v2(29.6,135.4) v2(29.6,134.1) v2(29.59,124.68) v2(29.59,123.38) v2(29.58,115.89) v2(29.58,113.99) v2(29.58,112.69) v2(29.6,108.9) v2(32.4,61.8) v2(32.4,60.5) v2(32.4,59.6) v2(32.4,58.3) v2(32.4,57.5) v2(32.4,56.2) v2(32.36,45.84) v2(32.36,44.54) v2(32.36,43.64) v2(32.36,42.34) v2(32.36,41.54) v2(32.36,40.24) v2(33.4,59.6) v2(33.4,58.3) v2(33.36,45.84) v2(33.36,44.54) v2(33.36,43.64) v2(33.36,42.34) v2(33.36,41.54) v2(33.36,40.24) v2(34.3,61.8) v2(34.3,57.5) v2(34.3,56.2) v2(34.26,45.84) v2(34.26,44.54) v2(34.26,43.64) v2(34.26,42.34) v2(34.26,41.54) v2(34.26,40.24) v2(35.3,61.8) v2(35.3,60.5) v2(35.3,58.3) v2(35.3,57.5) v2(35.3,56.2) v2(35.26,45.84) v2(35.26,44.54) v2(35.26,43.64) v2(35.26,42.34) v2(35.26,41.53) v2(35.26,40.24) v2(36.1,61.8) v2(36.1,60.5) v2(36.1,59.6) v2(36.1,58.3) v2(36.1,57.5) v2(36.1,56.2) v2(36.06,45.84) v2(36.06,44.54) v2(36.06,43.64) v2(36.06,42.34) v2(36.06,41.54) v2(36.06,40.24) v2(37.2,61.8) v2(37.2,60.5) v2(37.2,59.6) v2(37.2,58.3) v2(37.2,57.5) v2(37.2,56.2) v2(37.16,45.84) v2(37.16,44.54) v2(37.16,43.64) v2(37.16,42.34) v2(37.16,41.54) v2(37.16,40.24) v2(49.75,138.25) v2(49.75,129) v2(49.75,127.5) v2(49.75,118.25) v2(49.75,116.75) v2(49.75,107.5) v2(50.25,139.1) v2(50.25,128.25) v2(50.25,117.5) v2(50.25,106.75) v2(50.75,138.25) v2(50.75,129) v2(50.75,127.5) v2(50.75,118.25) v2(50.75,116.75) v2(50.75,107.5) v2(50.8,61.8) v2(50.8,60.5) v2(50.8,59.7) v2(50.8,58.4) v2(50.8,57.5) v2(50.8,56.2) v2(50.8,45.8) v2(50.8,44.5) v2(50.8,43.7) v2(50.8,42.4) v2(50.8,41.5) v2(50.8,40.2) v2(51.25,139.1) v2(51.25,128.25) v2(51.25,117.5) v2(51.25,106.75) v2(51.75,138.25) v2(51.75,129) v2(51.75,127.5) v2(51.75,118.25) v2(51.75,116.75) v2(51.75,107.5) v2(51.9,61.8) v2(51.9,60.5) v2(51.9,59.7) v2(51.9,58.4) v2(51.9,57.5) v2(51.9,56.2) v2(51.9,45.8) v2(51.9,44.5) v2(51.9,43.7) v2(51.9,42.4) v2(51.9,41.5) v2(51.9,40.2) v2(52.25,139.1) v2(52.25,128.25) v2(52.25,117.5) v2(52.25,106.75) v2(52.7,61.8) v2(52.7,60.5) v2(52.7,59.7) v2(52.7,58.4) v2(52.7,57.5) v2(52.7,56.2) v2(52.7,45.8) v2(52.7,44.5) v2(52.7,43.7) v2(52.7,42.4) v2(52.7,41.5) v2(52.7,40.2) v2(52.75,138.25) v2(52.75,129) v2(52.75,127.5) v2(52.75,118.25) v2(52.75,116.75) v2(52.75,107.5) v2(53.25,139.1) v2(53.25,128.25) v2(53.25,117.5) v2(53.25,106.75) v2(53.7,61.8) v2(53.7,60.5) v2(53.7,59.7) v2(53.7,58.4) v2(53.7,57.5) v2(53.7,56.2) v2(53.7,45.8) v2(53.7,44.5) v2(53.7,43.7) v2(53.7,42.4) v2(53.7,41.5) v2(53.7,40.2) v2(53.75,138.25) v2(53.75,129) v2(53.75,127.5) v2(53.75,118.25) v2(53.75,116.75) v2(53.75,107.5) v2(54.25,139.1) v2(54.25,128.25) v2(54.25,117.5) v2(54.25,106.75) v2(54.6,61.8) v2(54.6,60.5) v2(54.6,59.7) v2(54.6,58.4) v2(54.6,57.5) v2(54.6,56.2) v2(54.6,45.8) v2(54.6,44.5) v2(54.6,43.7) v2(54.6,42.4) v2(54.6,41.5) v2(54.6,40.2) v2(54.75,138.25) v2(54.75,129) v2(54.75,127.5) v2(54.75,118.25) v2(54.75,116.75) v2(54.75,107.5) v2(55.25,139.1) v2(55.25,128.25) v2(55.25,117.5) v2(55.25,106.75) v2(55.6,61.8) v2(55.6,60.5) v2(55.6,59.7) v2(55.6,58.4) v2(55.6,57.5) v2(55.6,56.2) v2(55.6,45.8) v2(55.6,44.5) v2(55.6,43.7) v2(55.6,42.4) v2(55.6,41.5) v2(55.6,40.2) v2(55.75,138.25) v2(55.75,129) v2(55.75,127.5) v2(55.75,118.25) v2(55.75,116.75) v2(55.75,107.5) v2(56.25,139.1) v2(56.25,128.25) v2(56.25,117.5) v2(56.25,106.75) v2(56.75,138.25) v2(56.75,129) v2(56.75,127.5) v2(56.75,118.25) v2(56.75,116.75) v2(56.75,107.5) v2(57.25,139.1) v2(57.25,128.25) v2(57.25,117.5) v2(57.25,106.75) v2(57.75,138.25) v2(57.75,129) v2(57.75,127.5) v2(57.75,118.25) v2(57.75,116.75) v2(57.75,107.5) v2(58.25,139.1) v2(58.75,138.25) v2(59.25,139.1) v2(59.75,138.25) v2(60.25,139.1) v2(60.75,138.25) v2(61.25,139.1) v2(61.75,138.25) v2(84.93,134.74)
VDD: length 2.3
  Top w0.4: 58.01,121.88 58.01,121.3 v1(58.11,121.2)
  Bottom w0.4: v1(58.11,121.2) 58.21,121.3 R29.2
  vias: v2(38.2,61.8) v2(38.2,60.5) v2(38.2,59.6) v2(38.2,58.3) v2(38.2,57.5) v2(38.2,56.2) v2(38.16,45.84) v2(38.16,44.54) v2(38.16,43.64) v2(38.16,42.34) v2(38.16,41.54) v2(38.16,40.24) v2(39.5,61.8) v2(39.5,60.5) v2(39.5,59.6) v2(39.5,58.3) v2(39.5,57.5) v2(39.5,56.2) v2(39.46,45.84) v2(39.46,44.54) v2(39.46,43.64) v2(39.46,42.34) v2(39.46,41.54) v2(39.46,40.24) v2(48.5,61.8) v2(48.5,60.5) v2(48.5,59.7) v2(48.5,58.4) v2(48.5,57.5) v2(48.5,56.2) v2(48.5,45.8) v2(48.5,44.5) v2(48.5,43.7) v2(48.5,42.4) v2(48.5,41.5) v2(48.5,40.2) v2(49.8,61.8) v2(49.8,60.5) v2(49.8,59.7) v2(49.8,58.4) v2(49.8,57.5) v2(49.8,56.2) v2(49.8,45.8) v2(49.8,44.5) v2(49.8,43.7) v2(49.8,42.4) v2(49.8,41.5) v2(49.8,40.2) v3(59.5,133.5) v3(59.5,132) v3(59.5,130.5) v3(59.5,129) v3(59.5,127.5) v3(59.5,126) v3(59.5,124.5) v3(59.5,123) v3(59.5,117.5) v3(59.5,116) v3(59.5,114.5) v3(59.5,113) v3(59.5,111.5) v3(59.5,110) v3(59.5,108.5) v3(59.5,107) v3(61,133.5) v3(61,132) v3(61,130.5) v3(61,129) v3(61,127.5) v3(61,126) v3(61,124.5) v3(61,123) v3(61,117.5) v3(61,116) v3(61,114.5) v3(61,113) v3(61,111.5) v3(61,110) v3(61,108.5) v3(61,107) v3(62.5,133.5) v3(62.5,132) v3(62.5,130.5) v3(62.5,129) v3(62.5,127.5) v3(62.5,126) v3(62.5,124.5) v3(62.5,123) v3(62.5,117.5) v3(62.5,116) v3(62.5,114.5) v3(62.5,113) v3(62.5,111.5) v3(62.5,110) v3(62.5,108.5) v3(62.5,107) v3(64,133.5) v3(64,132) v3(64,130.5) v3(64,129) v3(64,127.5) v3(64,126) v3(64,124.5) v3(64,123) v3(64,121.5) v3(64,119) v3(64,117.5) v3(64,116) v3(64,114.5) v3(64,113) v3(64,111.5) v3(64,110) v3(64,108.5) v3(64,107) v3(65.5,133.5) v3(65.5,132) v3(65.5,130.5) v3(65.5,129) v3(65.5,127.5) v3(65.5,126) v3(65.5,124.5) v3(65.5,123) v3(65.5,121.5) v3(65.5,119) v3(65.5,117.5) v3(65.5,116) v3(65.5,114.5) v3(65.5,113) v3(65.5,111.5) v3(65.5,110) v3(65.5,108.5) v3(65.5,107) v3(67,133.5) v3(67,132) v3(67,130.5) v3(67,129) v3(67,127.5) v3(67,126) v3(67,124.5) v3(67,123) v3(67,121.5) v3(67,119) v3(67,117.5) v3(67,116) v3(67,114.5) v3(67,113) v3(67,111.5) v3(67,110) v3(67,108.5) v3(67,107)
